# Altium PCB ADC_HUB.PcbDoc (part 1 of 3)
Units mm, origin at the board's own origin, x right, y up, seen from the top; angles counter-clockwise.
Board outline 280 x 83 mm, 4 copper layers (Component Side, Ground Plane, Power Plane, Solder Side), stack 0.844 mm thick; 324 components, 150 nets, 1066 pads, 404 vias.
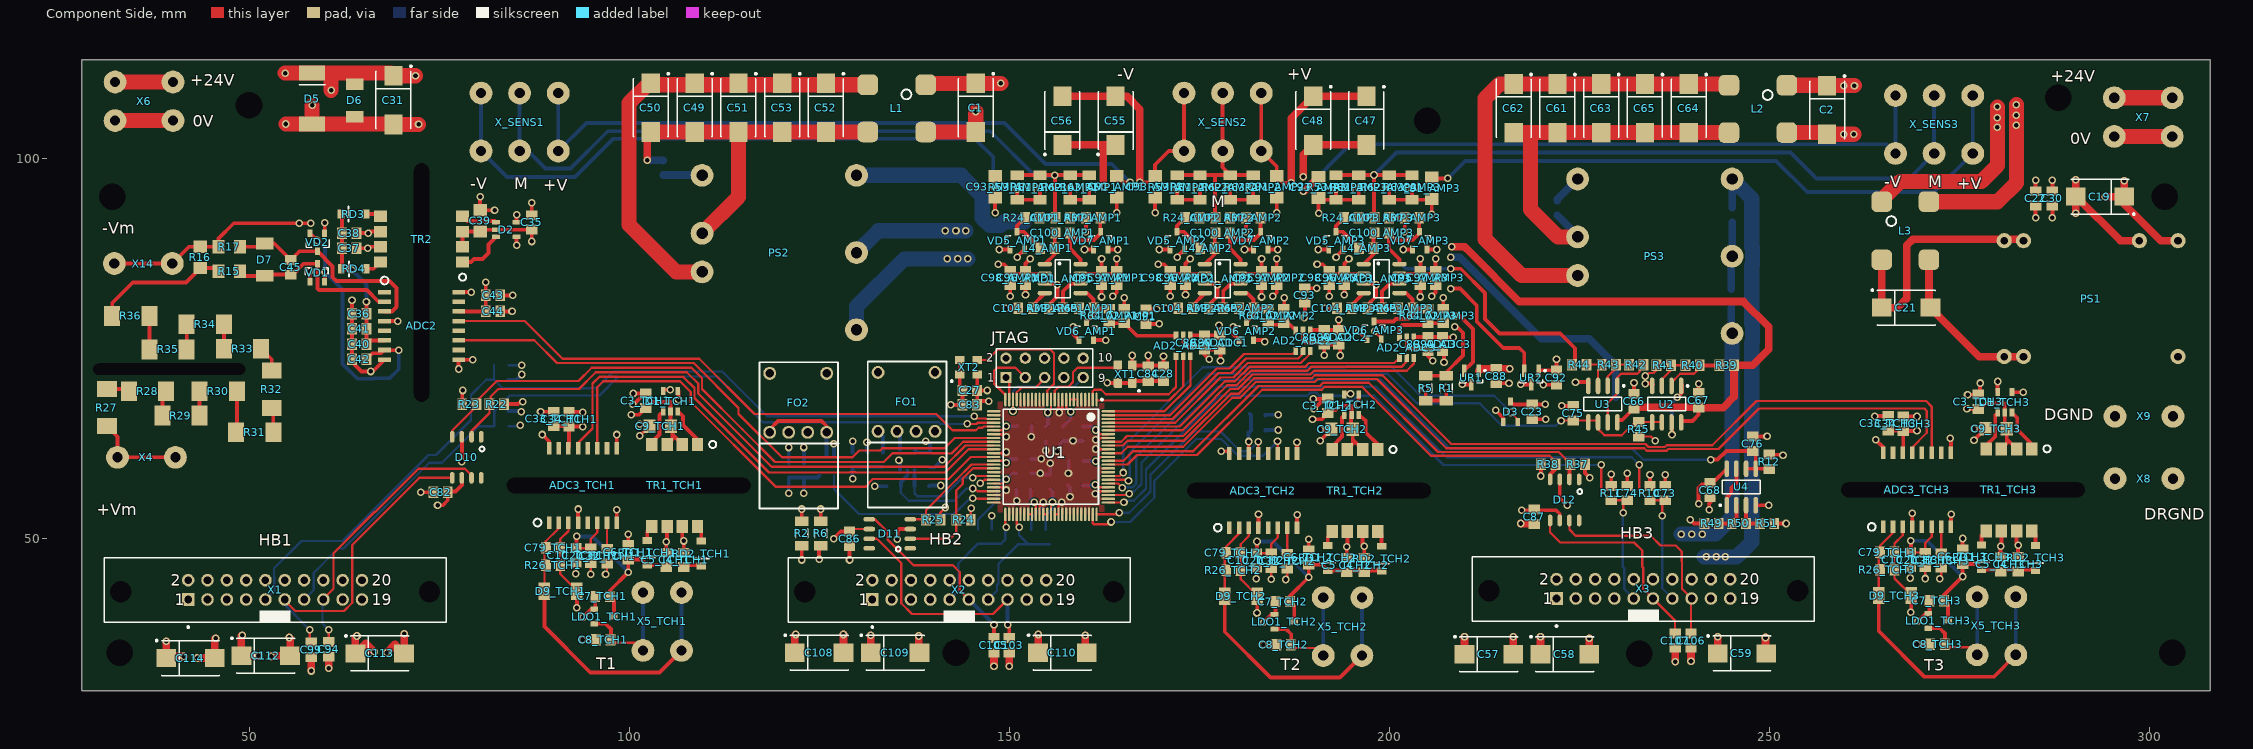
[diagram p0: Component Side view]
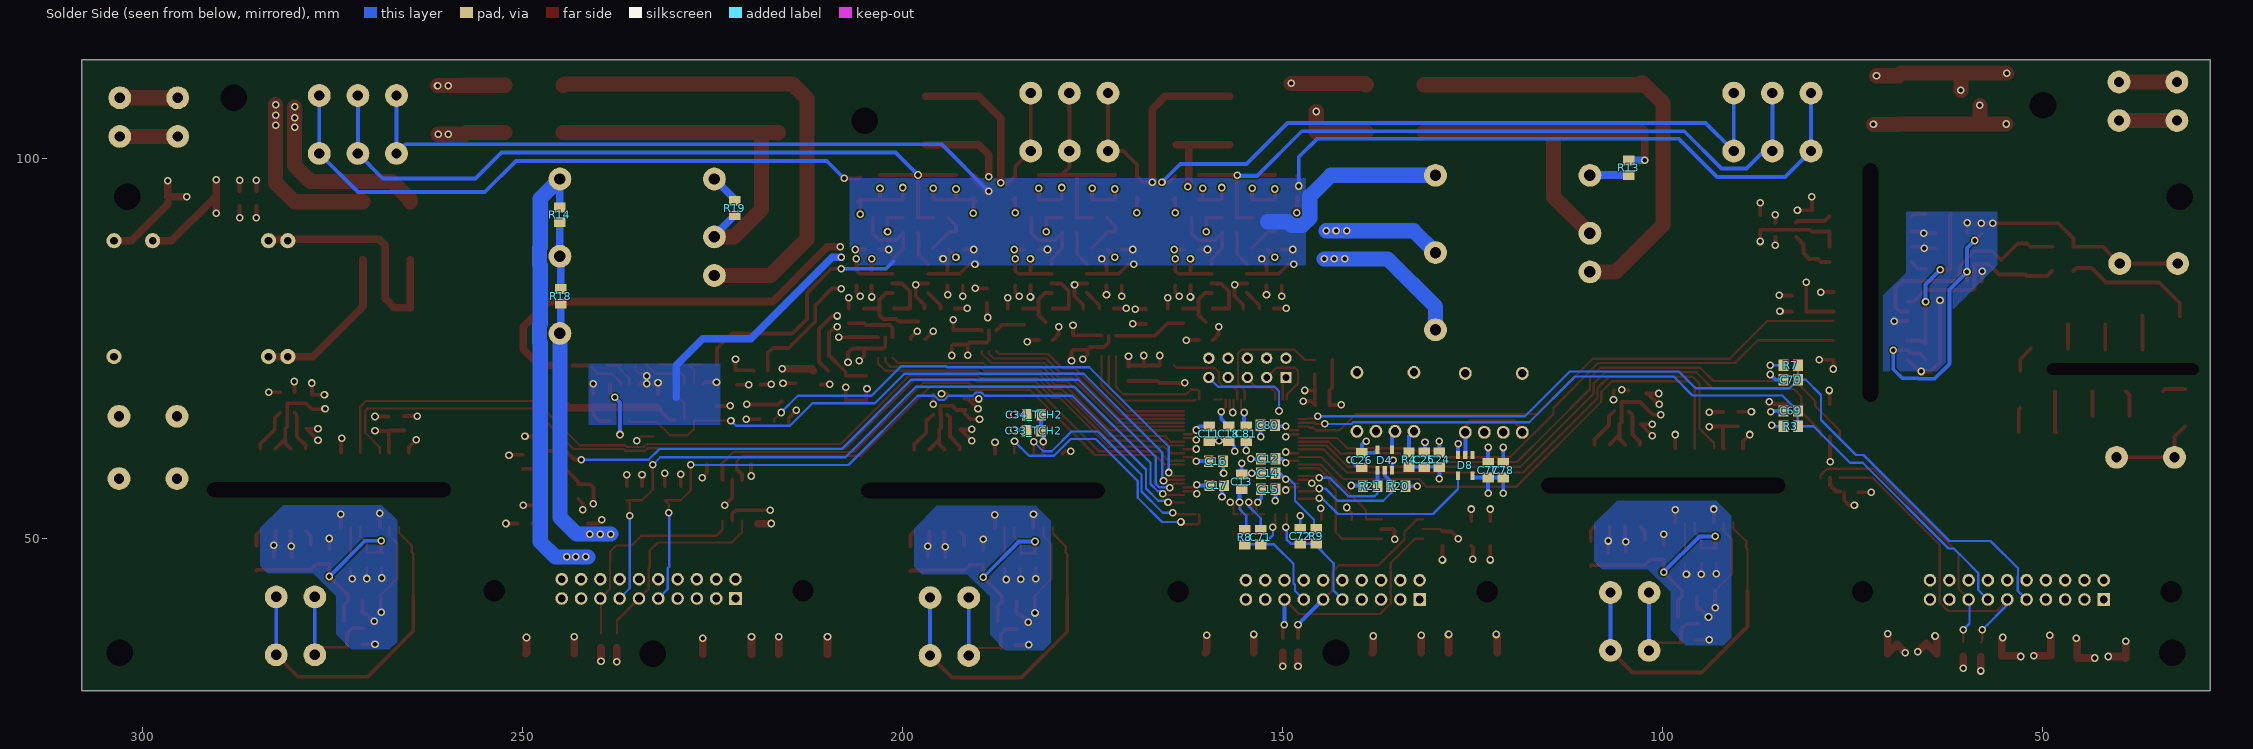
[diagram p1: Solder Side view, seen from below]
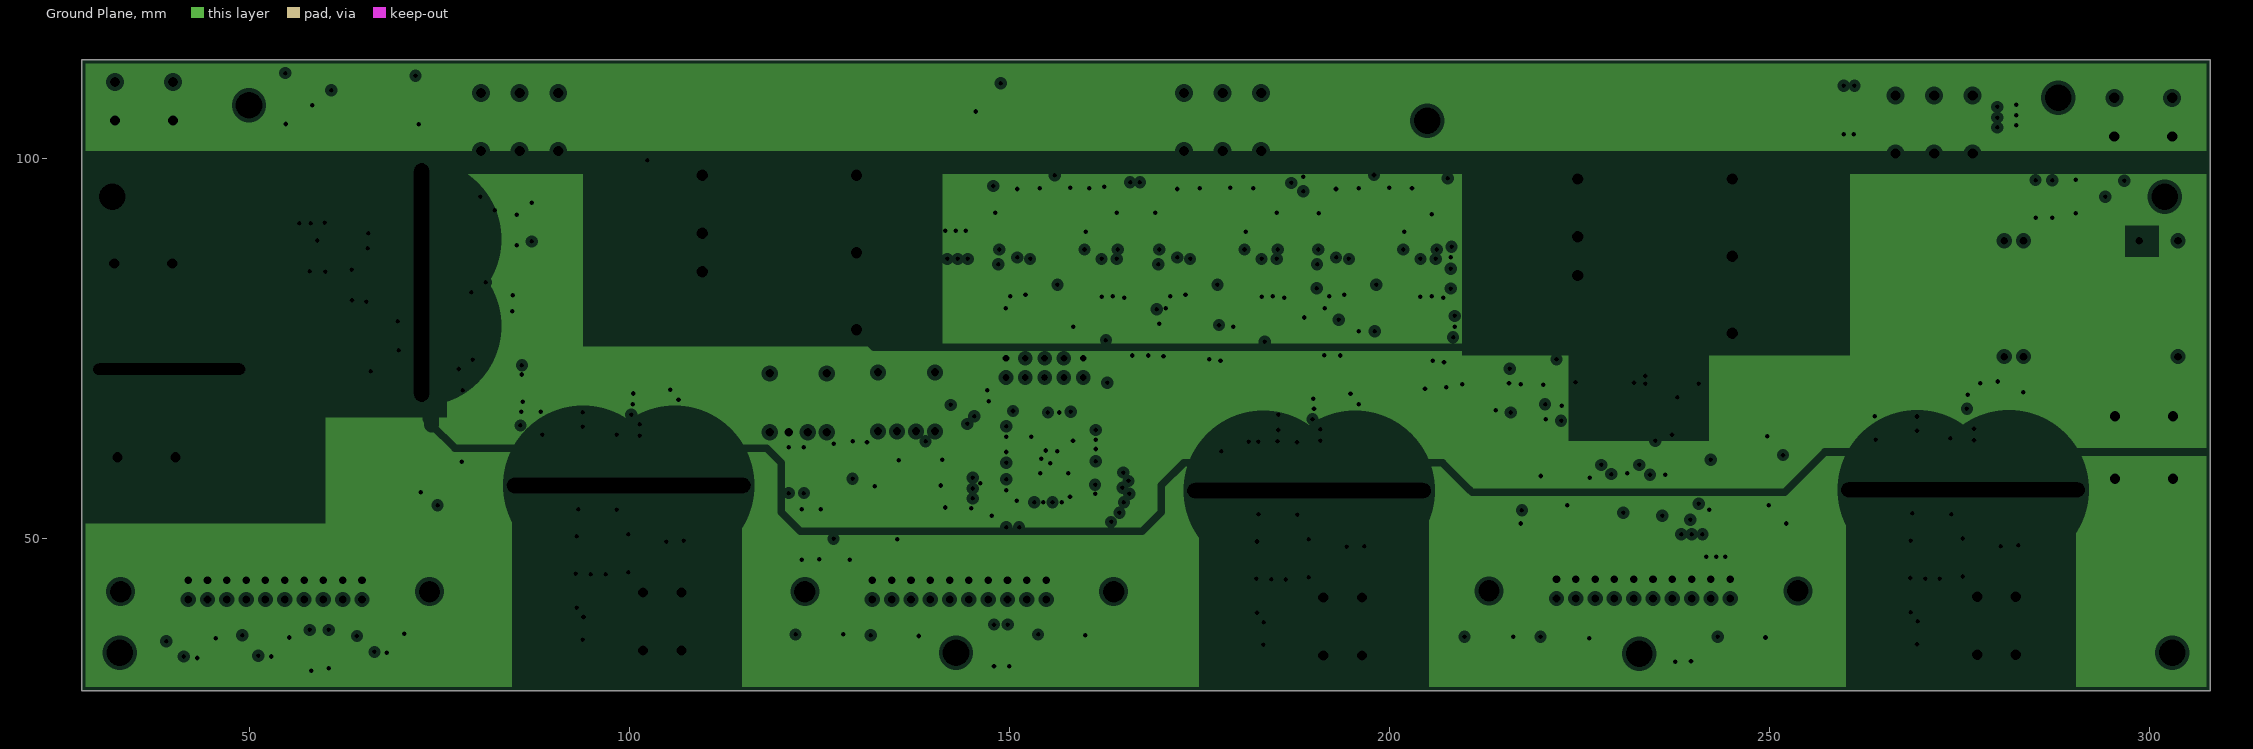
[diagram p2: Ground Plane, clearances drawn from the general rule]
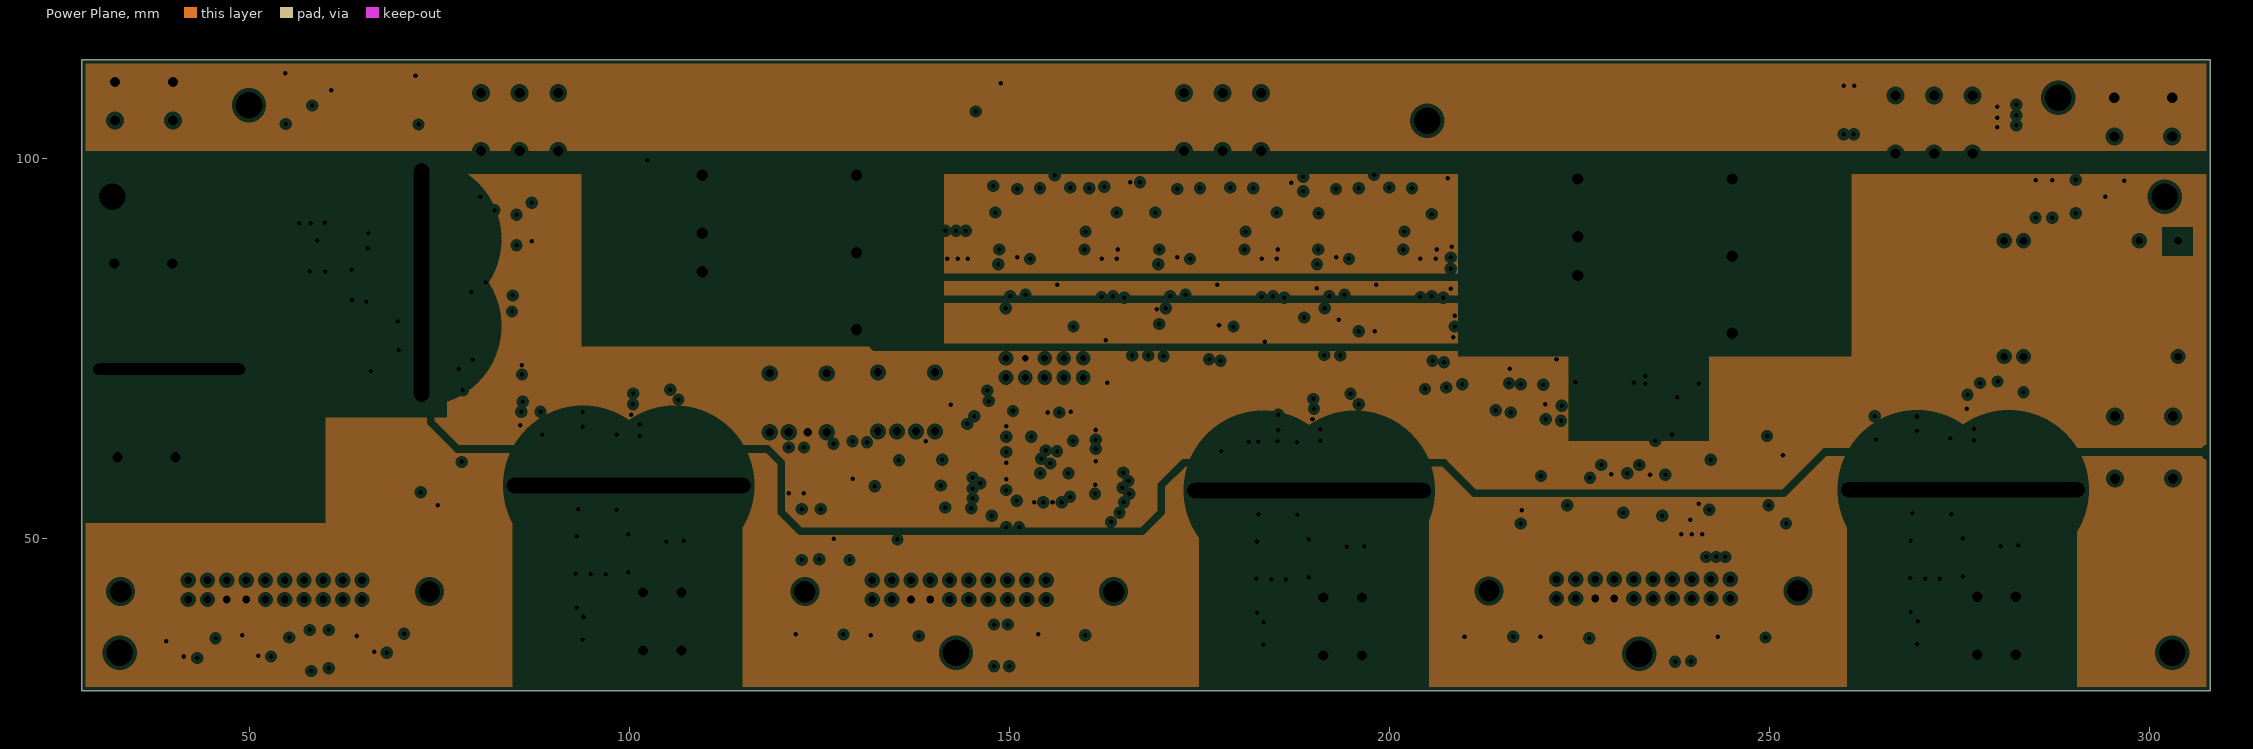
[diagram p3: Power Plane, clearances drawn from the general rule]

## Layer stack, top to bottom
Top Solder: solder mask 0.0102, Solder Resist, Dk 3.5
Component Side: signal copper 0.0356
Dielectric 1: core 0.32, FR-4, Dk 4.8
Ground Plane: plane copper 0.036, net (Multiple Nets)
Dielectric 3: prepreg 0.127, Dk 4.2
Power Plane: plane copper 0.036, net (Multiple Nets)
Dielectric 4: core 0.254, Dk 4.2
Solder Side: signal copper 0.0356
Bottom Solder: solder mask 0.0102, Solder Resist, Dk 3.5

## Board outline
28,30 28,113 308,113 308,30

## Design rules (kind name [scope] priority, off if disabled: settings)
Clearance [All] p1: gap=0.2 ignorepadtopadclearanceinfootprint=FALSE
Height [All] p1: minheight=0 maxheight=444 prefheight=12.7
HoleSize [All] p1: absolutevalues=TRUE maxlimit=50 minlimit=0.025 maxpercent=80.000 minpercent=20.000
MinimumSolderMaskSliver [All] p1: minsoldermaskwidth=0.15
PlaneClearance [All] p1: clearance=0.508
PlaneConnect "Schematic Power Plane Connect Style_3" [InComponent('FO2')] p1: planeconnectstyle=Relief reliefexpansion=0.4 reliefentries=4 reliefconductorwidth=0.4 reliefairgap=0.4
PlaneConnect "Schematic Power Plane Connect Style_1" [InComponent('JTAG')] p2: planeconnectstyle=Relief reliefexpansion=0.4 reliefentries=4 reliefconductorwidth=0.4 reliefairgap=0.4
PlaneConnect [All] p3: planeconnectstyle=Direct reliefexpansion=0.508 reliefentries=4 reliefconductorwidth=0.254 reliefairgap=0.254
PolygonConnect PolygonConnect_1 [All vs HasFootprint('TQFP100_N')] p1: connectstyle=Relief reliefconductorwidth=0.3 reliefentries=4 polygonreliefangle="90 Angle" airgapwidth=0.15
PolygonConnect [All] p2: connectstyle=Direct reliefconductorwidth=0.254 reliefentries=4 polygonreliefangle="90 Angle" airgapwidth=0.254
RoomDefinition AMP3 [InComponentClass('AMP3')] p1: confinementstyle=ConfineIn formatcopy=TRUE lockcomponents=FALSE outline 188.1,74.3 209.1,74.3 209.1,100.3 188.1,100.3
RoomDefinition AMP2 [InComponentClass('AMP2')] p2: confinementstyle=ConfineIn formatcopy=TRUE lockcomponents=FALSE outline 167.2,74.3 188.2,74.3 188.2,100.3 167.2,100.3
RoomDefinition AMP1 [InComponentClass('AMP1')] p3: confinementstyle=ConfineIn formatcopy=TRUE lockcomponents=FALSE outline 146.15,74.3 167.15,74.3 167.15,100.3 146.15,100.3
RoomDefinition ADC3 [InComponentClass('ADC3')] p4: confinementstyle=ConfineIn formatcopy=TRUE lockcomponents=FALSE outline 200.1,68.9 208.9,68.9 208.9,78.6 200.1,78.6
RoomDefinition ADC2 [InComponentClass('ADC2')] p5: confinementstyle=ConfineIn formatcopy=TRUE lockcomponents=FALSE outline 182.35,68.6 194.65,68.6 194.65,79.5 182.35,79.5
RoomDefinition ADC1 [InComponentClass('ADC1')] p6: confinementstyle=ConfineIn formatcopy=TRUE lockcomponents=FALSE outline 170.2,69.1 179.1,69.1 179.1,78.8 170.2,78.8
RoomDefinition VCH1 [InComponentClass('VCH1')] p7: confinementstyle=ConfineIn formatcopy=TRUE lockcomponents=FALSE outline 24,52 93,52 93,100 24,100
RoomDefinition TCH3 [InComponentClass('TCH3')] p8: confinementstyle=ConfineIn formatcopy=TRUE lockcomponents=FALSE outline 257.661,29.875 295.461,29.875 295.461,71.675 257.661,71.675
RoomDefinition TCH2 [InComponentClass('TCH2')] p9: confinementstyle=ConfineIn formatcopy=TRUE lockcomponents=FALSE outline 171.636,29.78 209.436,29.78 209.436,71.58 171.636,71.58
RoomDefinition TCH1 [InComponentClass('TCH1')] p10: confinementstyle=ConfineIn formatcopy=TRUE lockcomponents=FALSE outline 82.136,30.45 119.936,30.45 119.936,72.25 82.136,72.25
RoomDefinition DCON_DRV3P [InComponentClass('DCON_DRV3P')] p11: confinementstyle=ConfineIn formatcopy=TRUE lockcomponents=FALSE outline 18,23 321,23 321,127.3 18,127.3
RoutingVias [All] p1: holewidth=0.6 width=1 viastyle="Through Hole" minholewidth=0.5 minwidth=1 maxholewidth=2 maxwidth=10
SolderMaskExpansion [All] p1: expansion=0.102
Width [All] p1: maxlimit=5 minlimit=0.254 preferedwidth=0.254
25 further rules are at their usual default settings.

## Classes and differential pairs
channel class HallSensorInpNoADC2: AMP1 AMP2 AMP3
component class AMP3: AD1_AMP3 C91_AMP3 C93_AMP3 C95_AMP3 C96_AMP3 C97_AMP3 C98_AMP3 C100_AMP3 C101_AMP3 C102_AMP3 C104_AMP3 L4_AMP3 R24_AMP3 R37_AMP3 R38_AMP3 R53_AMP3 R61_AMP3 R62_AMP3 R63_AMP3 R64_AMP3 R65_AMP3 VD5_AMP3 VD6_AMP3 VD7_AMP3
component class AMP2: AD1_AMP2 C91_AMP2 C93_AMP2 C95_AMP2 C96_AMP2 C97_AMP2 C98_AMP2 C100_AMP2 C101_AMP2 C102_AMP2 C104_AMP2 L4_AMP2 R24_AMP2 R37_AMP2 R38_AMP2 R53_AMP2 R61_AMP2 R62_AMP2 R63_AMP2 R64_AMP2 R65_AMP2 VD5_AMP2 VD6_AMP2 VD7_AMP2
component class AMP1: AD1_AMP1 C91_AMP1 C93_AMP1 C95_AMP1 C96_AMP1 C97_AMP1 C98_AMP1 C100_AMP1 C101_AMP1 C102_AMP1 C104_AMP1 L4_AMP1 R24_AMP1 R37_AMP1 R38_AMP1 R53_AMP1 R61_AMP1 R62_AMP1 R63_AMP1 R64_AMP1 R65_AMP1 VD5_AMP1 VD6_AMP1 VD7_AMP1
component class ADC3: AD2_ADC3 C89_ADC3 C90_ADC3
component class ADC2: AD2_ADC2 C89_ADC2 C90_ADC2
component class ADC1: AD2_ADC1 C89_ADC1 C90_ADC1
channel class TempIso: TCH1 TCH2 TCH3
component class VCH1: ADC2 C35 C36 C37 C38 C39 C40 C41 C42 C43 C44 C45 D2 D7 R15 R16 R17 R27 R28 R29 R30 R31 R32 R33 R34 R35 R36 RD3 RD4 TR2 VD1 VD2 X4 X14
component class TCH3: ADC3_TCH3 C3_TCH3 C4_TCH3 C5_TCH3 C6_TCH3 C7_TCH3 C8_TCH3 C9_TCH3 C10_TCH3 C20_TCH3 C32_TCH3 C33_TCH3 C34_TCH3 C79_TCH3 D1_TCH3 D9_TCH3 LDO1_TCH3 R26_TCH3 RD1_TCH3 RD2_TCH3 TR1_TCH3 X5_TCH3
component class TCH2: ADC3_TCH2 C3_TCH2 C4_TCH2 C5_TCH2 C6_TCH2 C7_TCH2 C8_TCH2 C9_TCH2 C10_TCH2 C20_TCH2 C32_TCH2 C33_TCH2 C34_TCH2 C79_TCH2 D1_TCH2 D9_TCH2 LDO1_TCH2 R26_TCH2 RD1_TCH2 RD2_TCH2 TR1_TCH2 X5_TCH2
component class TCH1: ADC3_TCH1 C3_TCH1 C4_TCH1 C5_TCH1 C6_TCH1 C7_TCH1 C8_TCH1 C9_TCH1 C10_TCH1 C20_TCH1 C32_TCH1 C33_TCH1 C34_TCH1 C79_TCH1 D1_TCH1 D9_TCH1 LDO1_TCH1 R26_TCH1 RD1_TCH1 RD2_TCH1 TR1_TCH1 X5_TCH1
component class DCON_DRV3P: C1 C2 C11 C12 C13 C14 C15 C16 C17 C18 C19 C21 C22 C23 C24 C25 C26 C27 C28 C30 C31 C47 C48 C49 C50 C51 C52 C53 C55 C56 C57 C58 C59 C61 C62 C63 C64 C65 C66 C67 C68 C69 C70 C71 C72 C73 C74 C75 C76 C77 C78 C80 C81 C82 C83 C84 C86 C87 C88 C91 C92 C93 C94 C99 C103 C105 C106 C107 C108 C109 C110 C112 C113 C114 D3 D4 D5 D6 D8 D10 D11 D12 FO1 FO2 JTAG L1 L2 L3 PS1 PS2 PS3 R1 R2 R3 R4 R5 R6 R7 R8 R9 R10 R11 R12 R13 R14 R18 R19 R20 R21 R22 R23 R24 R25 R37 R38 R39 R40 R41 R42 R43 R44 R45 R49 R50 R51 U1 U2 U3 U4 UR1 UR2 X1 X2 X3 X6 X7 X8 X9 X_SENS1 X_SENS2 X_SENS3 XT1 XT2
channel class FPGA_ADC_NORES: ADC1 ADC2 ADC3

## Components (designator, comment, footprint, x,y, rotation, side; value= is the part's Value field where it differs from the comment)
AD1_AMP1 "Difference Amp" R-8_L 157.044,84.216 r0 top value=AD628 (schematic designator AD1)
AD1_AMP2 "Difference Amp" R-8_L 178.094,84.216 r0 top value=AD628 (schematic designator AD1)
AD1_AMP3 "Difference Amp" R-8_L 198.994,84.216 r0 top value=AD628 (schematic designator AD1)
AD2_ADC1 "ADS7886" ADS7886 173.85,76.7 r180 top (schematic designator AD2)
AD2_ADC2 "ADS7886" ADS7886 189.6,77.4 r180 top (schematic designator AD2)
AD2_ADC3 "ADS7886" ADS7886 203.25,76.5 r180 top (schematic designator AD2)
ADC2 "AMC1304M25" AMC1304M25 67.825,82.44 r0 top
ADC3_TCH1 "AMC1304M25" AMC1304M25 89.475,52.125 r90 top (schematic designator ADC3)
ADC3_TCH2 "AMC1304M25" AMC1304M25 178.975,51.455 r90 top (schematic designator ADC3)
ADC3_TCH3 "AMC1304M25" AMC1304M25 265,51.55 r90 top (schematic designator ADC3)
C1 "Tant Cap D-case" D 145.6,106.7 r270 top value="22uF, 35V"
C2 "Tant Cap D-case" D 257.6,106.4 r270 top value="22uF, 35V"
C3_TCH1 "ChipCap" "SMD CAP 0805" 102.2,68.15 r270 top value="0.1uF, 50V" (schematic designator C3)
C3_TCH2 "ChipCap" "SMD CAP 0805" 191.9,67.5 r270 top value="0.1uF, 50V" (schematic designator C3)
C3_TCH3 "ChipCap" "SMD CAP 0805" 277.5,68 r270 top value="0.1uF, 50V" (schematic designator C3)
C4_TCH1 "ChipCap" "SMD CAP 0805" 107.2,47.2 r270 top value="0.1uF, 50V" (schematic designator C4)
C4_TCH2 "ChipCap" "SMD CAP 0805" 196.7,46.53 r270 top value="0.1uF, 50V" (schematic designator C4)
C4_TCH3 "ChipCap" "SMD CAP 0805" 282.725,46.625 r270 top value="0.1uF, 50V" (schematic designator C4)
C5_TCH1 "ChipCap" "SMD CAP 0805" 104.9,47.2 r270 top value="10uF, 16V" (schematic designator C5)
C5_TCH2 "ChipCap" "SMD CAP 0805" 194.4,46.53 r270 top value="10uF, 16V" (schematic designator C5)
C5_TCH3 "ChipCap" "SMD CAP 0805" 280.425,46.625 r270 top value="10uF, 16V" (schematic designator C5)
C6_TCH1 "ChipCap" "SMD CAP 0805" 99.9,48.2 r270 top value="10uF, 16V" (schematic designator C6)
C6_TCH2 "ChipCap" "SMD CAP 0805" 189.4,47.53 r270 top value="10uF, 16V" (schematic designator C6)
C6_TCH3 "ChipCap" "SMD CAP 0805" 275.425,47.625 r270 top value="10uF, 16V" (schematic designator C6)
C7_TCH1 "ChipCap" "SMD CAP 0805" 96.5,42.4 r0 top value="1uF, 16V" (schematic designator C7)
C7_TCH2 "ChipCap" "SMD CAP 0805" 186,41.73 r0 top value="1uF, 16V" (schematic designator C7)
C7_TCH3 "ChipCap" "SMD CAP 0805" 272.025,41.825 r0 top value="1uF, 16V" (schematic designator C7)
C8_TCH1 "ChipCap" "SMD CAP 0805" 96.6,36.7 r0 top value="1uF, 16V" (schematic designator C8)
C8_TCH2 "ChipCap" "SMD CAP 0805" 186.1,36.03 r0 top value="1uF, 16V" (schematic designator C8)
C8_TCH3 "ChipCap" "SMD CAP 0805" 272.125,36.125 r0 top value="1uF, 16V" (schematic designator C8)
C9_TCH1 "ChipCap" "SMD CAP 1206" 104.1,64.8 r0 top value="10uF, 10V" (schematic designator C9)
C9_TCH2 "ChipCap" "SMD CAP 1206" 193.8,64.38 r0 top value="10uF, 10V" (schematic designator C9)
C9_TCH3 "ChipCap" "SMD CAP 1206" 279.825,64.475 r0 top value="10uF, 10V" (schematic designator C9)
C10_TCH1 "ChipCap" "SMD CAP 0805" 93,47.8 r90 top value="0.1uF, 50V" (schematic designator C10)
C10_TCH2 "ChipCap" "SMD CAP 0805" 182.5,47.13 r90 top value="0.1uF, 50V" (schematic designator C10)
C10_TCH3 "ChipCap" "SMD CAP 0805" 268.525,47.225 r90 top value="0.1uF, 50V" (schematic designator C10)
C11 "ChipCap" "SMD CAP 0805" 159.7,63.8 r270 bottom value="0.1uF, 50V"
C12 "ChipCap" "SMD CAP 0805" 151.9,60.5 r180 bottom value="0.1uF, 50V"
C13 "ChipCap" "SMD CAP 0805" 155.4,57.5 r90 bottom value="0.1uF, 50V"
C14 "ChipCap" "SMD CAP 0805" 151.9,58.6 r180 bottom value="0.1uF, 50V"
C15 "ChipCap" "SMD CAP 0805" 151.9,56.5 r180 bottom value="0.1uF, 50V"
C16 "ChipCap" "SMD CAP 0805" 158.8,60.2 r0 bottom value="0.1uF, 50V"
C17 "ChipCap" "SMD CAP 0805" 158.7,57 r0 bottom value="0.1uF, 50V"
C18 "ChipCap" "SMD CAP 0805" 157.1,63.8 r270 bottom value="0.1uF, 50V"
C19 "Tant Cap D-case" D 293.5,95 r180 top value="100uF, 10V"
C20_TCH1 "ChipCap" "SMD CAP 0805" 94.969,47.768 r90 top value="10uF, 16V" (schematic designator C20)
C20_TCH2 "ChipCap" "SMD CAP 0805" 184.469,47.098 r90 top value="10uF, 16V" (schematic designator C20)
C20_TCH3 "ChipCap" "SMD CAP 0805" 270.494,47.193 r90 top value="10uF, 16V" (schematic designator C20)
C21 "Tant Cap D-case" D 268,80.4 r0 top value="47uF, 35V, X-case"
C22 "ChipCap" "SMD CAP 0805" 285.025,94.758 r270 top value="1uF, 16V"
C23 "ChipCap" "SMD CAP 0805" 218.8,66.7 r270 top value="0.1uF, 50V"
C24 "ChipCap" "SMD CAP 0805" 129.4,60.4 r270 bottom value="1uF, 16V"
C25 "ChipCap" "SMD CAP 0805" 131.4,60.4 r270 bottom value="0.1uF, 50V"
C26 "ChipCap" "SMD CAP 0805" 139.594,60.342 r90 bottom value="0.1uF, 50V"
C27 "ChipCap" "SMD CAP 0805" 144.8,69.5 r0 top value="0,01uF, 50V"
C28 "ChipCap" "SMD CAP 0805" 170.3,71.7 r90 top value="0.1uF, 50V"
C30 "ChipCap" "SMD CAP 0805" 287.236,94.758 r270 top value="0.1uF, 50V"
C31 "Tant Cap D-case" D 69,107.7 r270 top value="22uF, 35V"
C32_TCH1 "ChipCap" "SMD CAP 0805" 97.1,47.7 r90 top value="0.1uF, 50V" (schematic designator C32)
C32_TCH2 "ChipCap" "SMD CAP 0805" 186.6,47.03 r90 top value="0.1uF, 50V" (schematic designator C32)
C32_TCH3 "ChipCap" "SMD CAP 0805" 272.625,47.125 r90 top value="0.1uF, 50V" (schematic designator C32)
C33_TCH1 "ChipCap" "SMD CAP 0805" 90.1,65.75 r270 top value="0.1uF, 50V" (schematic designator C33)
C33_TCH2 "ChipCap" "SMD CAP 0805" 182.78,64.2 r180 bottom value="0.1uF, 50V" (schematic designator C33)
C33_TCH3 "ChipCap" "SMD CAP 0805" 265.625,65.175 r270 top value="0.1uF, 50V" (schematic designator C33)
C34_TCH1 "ChipCap" "SMD CAP 0805" 92.1,65.7 r270 top value="2.2uF, 10V" (schematic designator C34)
C34_TCH2 "ChipCap" "SMD CAP 0805" 182.73,66.3 r180 bottom value="2.2uF, 10V" (schematic designator C34)
C34_TCH3 "ChipCap" "SMD CAP 0805" 267.625,65.125 r270 top value="2.2uF, 10V" (schematic designator C34)
C35 "ChipCap" "SMD CAP 0805" 87.2,91.6 r270 top value="1uF, 16V"
C36 "ChipCap" "SMD CAP 0805" 64.5,79.6 r0 top value="0.1uF, 50V"
C37 "ChipCap" "SMD CAP 0805" 63.2,88.2 r180 top value="10uF, 16V"
C38 "ChipCap" "SMD CAP 0805" 63.2,90.2 r180 top value="10uF, 16V"
C39 "ChipCap" "SMD RES 1206" 80.4,91.8 r270 top value="10uF, 16V"
C40 "ChipCap" "SMD CAP 0805" 64.5,75.6 r0 top value="0.1uF, 50V"